# KiCad board kim-1.kicad_pcb (continued)
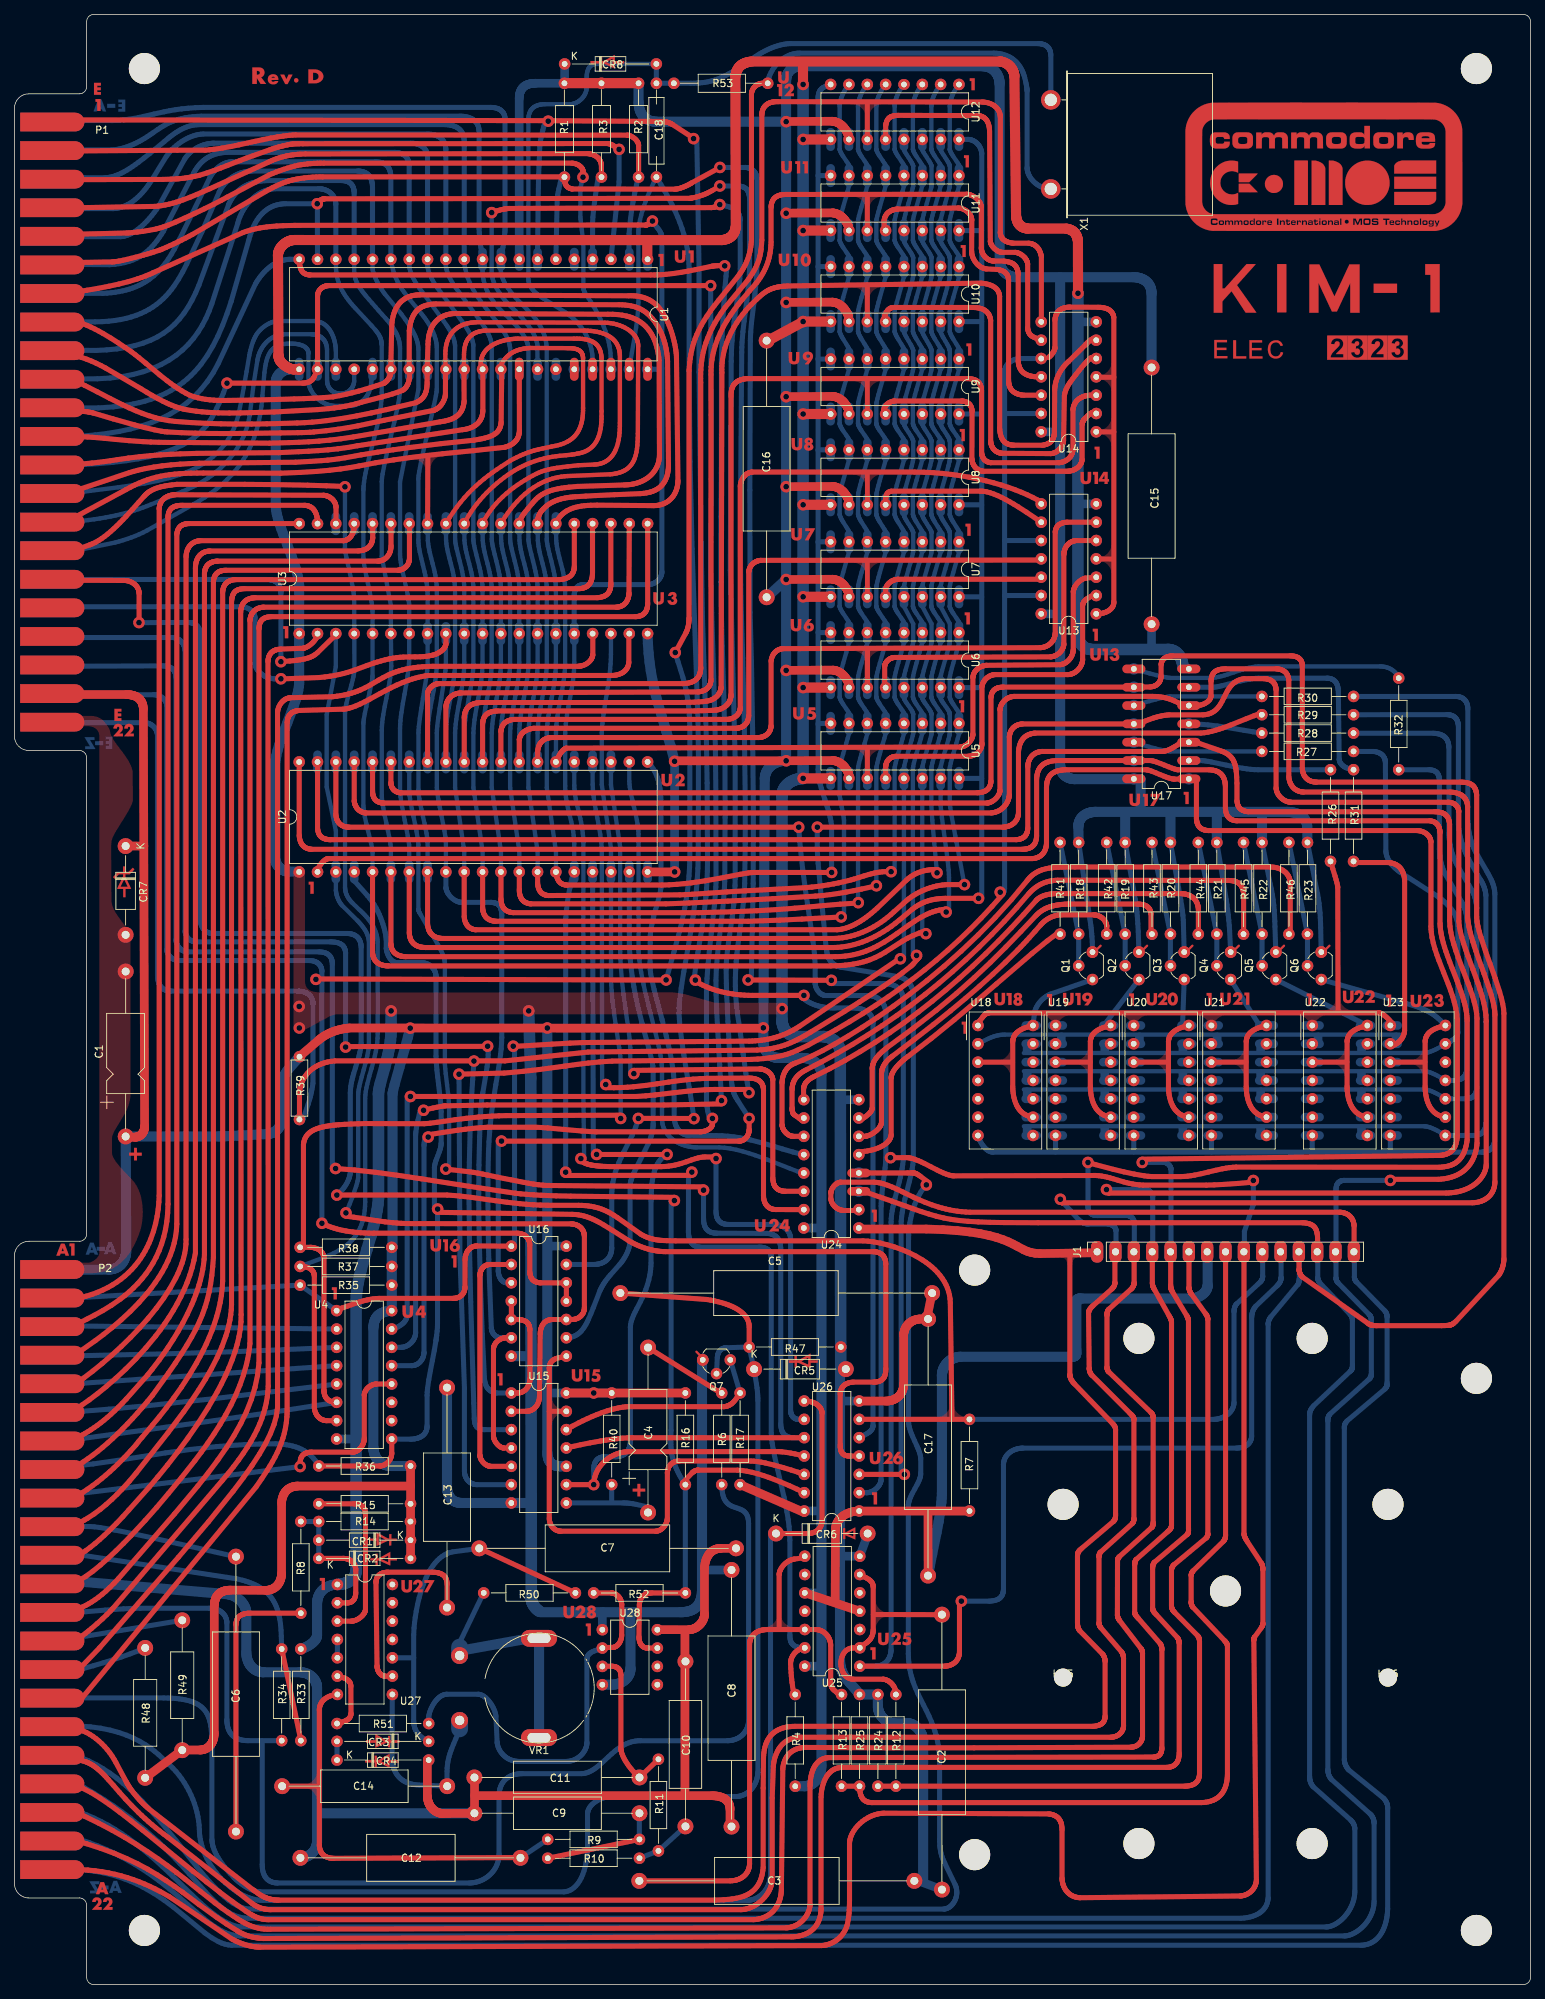
[diagram p0: board, top side]
## Footprints (pads in the part's own frame, mm; a bottom-side part is the same pattern mirrored in y, then rotated)
C_Axial_L12.0mm_D4.5mm_P22.86mm_Horizontal
  round 2.2 hole 1.1: 1(0,0) 2(22.86,0)
C_Axial_L12.0mm_D5.0mm_P30.48mm_Horizontal
  round 2.2 hole 1.1: 1(0,0) 2(30.48,0)
C_Axial_L17.0mm_D6.5mm_P35.56mm_Horizontal
  round 2.2 hole 1.1: 1(0,0) 2(35.56,0)
C_Axial_L17.0mm_D6.5mm_P38.10mm_Horizontal
  round 2.2 hole 1.1: 1(0,0) 2(38.1,0)
C_Axial_L17.0mm_D6.5mm_P43.18mm_Horizontal
  round 2.2 hole 1.1: 1(0,0) 2(43.18,0)
C_Disc_D9.0mm_W2.5mm_P13.00mm
  round 1.6 hole 0.8: 1(0,0) 2(13,0)
CP_Axial_L11.0mm_D5.0mm_P22.86mm_Horizontal
  round 2.2 hole 1.1: 1(0,0) 2(22.86,0)
Crystal_HC33-U_Horizontal
  round 2.7 hole 1.7: 1(0,0) 2(12.34,0)
D_DO-35_SOD27_P12.70mm_Horizontal
  oval 1.6x1.6 hole 0.8: 1(0,0) 2(12.7,0)
D_DO-41_SOD81_P12.30mm_Horizontal
  oval 2.2x2.2 hole 1.1: 1(0,0) 2(12.3,0)
D_DO-41_SOD81_P12.70mm_Horizontal
  oval 2.2x2.2 hole 1.1: 1(0,0) 2(12.7,0)
DIP-8_W7.62mm
  oval 1.6x1.6 hole 0.8: 1(0,0) 2(0,-2.54) 3(0,-5.08) 4(0,-7.62) 5(7.62,-7.62) 6(7.62,-5.08) 7(7.62,-2.54) 8(7.62,0)
DIP-14_W7.62mm
  oval 1.6x1.6 hole 0.8: 1(0,0) 2(0,-2.54) 3(0,-5.08) 4(0,-7.62) 5(0,-10.16) 6(0,-12.7) 7(0,-15.24) 8(7.62,-15.24) 9(7.62,-12.7) 10(7.62,-10.16) 11(7.62,-7.62) 12(7.62,-5.08) 13(7.62,-2.54) 14(7.62,0)
DIP-14_W7.62mm_U17
  oval 1.2x1.2 hole 0.8: 1(0,0) 2(0,-2.54) 3(0,-5.08) 4(0,-7.62) 5(0,-10.16) 6(0,-12.7) 7(0,-15.24) 8(7.62,-15.24) 9(7.62,-12.7) 10(7.62,-10.16) 11(7.62,-7.62) 12(7.62,-5.08) 13(7.62,-2.54) 14(7.62,0)
  round 1.6 smd far side: 1(0,0) 4(0,-7.62) 8(7.62,-15.24) 9(7.62,-12.7) 10(7.62,-10.16) 11(7.62,-7.62) 12(7.62,-5.08) 13(7.62,-2.54) 14(7.62,0)
  rrect 3.2x1.2 smd: 1(0,0) 2(0,-2.54) 3(0,-5.08) 4(0,-7.62) 5(0,-10.16) 6(0,-12.7) 7(0,-15.24) 8(7.62,-15.24) 9(7.62,-12.7) 10(7.62,-10.16) 11(7.62,-7.62) 12(7.62,-5.08) 13(7.62,-2.54) 14(7.62,0)
  rrect 3.2x1.2 smd far side: 2(0,-2.54) 3(0,-5.08) 5(0,-10.16) 6(0,-12.7) 7(0,-15.24)
DIP-16_W7.62mm
  oval 1.6x1.6 hole 0.8: 1(0,0) 2(0,-2.54) 3(0,-5.08) 4(0,-7.62) 5(0,-10.16) 6(0,-12.7) 7(0,-15.24) 8(0,-17.78) 9(7.62,-17.78) 10(7.62,-15.24) 11(7.62,-12.7) 12(7.62,-10.16) 13(7.62,-7.62) 14(7.62,-5.08) 15(7.62,-2.54) 16(7.62,0)
DIP-16_W7.62mm_U5-U11
  oval 1.2x1.2 hole 0.8: 1(0,0) 2(0,-2.54) 3(0,-5.08) 4(0,-7.62) 5(0,-10.16) 6(0,-12.7) 7(0,-15.24) 8(0,-17.78) 9(7.62,-17.78) 10(7.62,-15.24) 11(7.62,-12.7) 12(7.62,-10.16) 13(7.62,-7.62) 14(7.62,-5.08) 15(7.62,-2.54) 16(7.62,0)
  round 1.6 smd: 1(0,0) 2(0,-2.54) 3(0,-5.08) 4(0,-7.62) 5(0,-10.16) 6(0,-12.7) 7(0,-15.24) 8(0,-17.78) 9(7.62,-17.78) 10(7.62,-15.24) 11(7.62,-12.7) 12(7.62,-10.16) 13(7.62,-7.62) 14(7.62,-5.08) 15(7.62,-2.54) 16(7.62,0)
  rrect 3.2x1.2 smd far side: 1(0,0) 2(0,-2.54) 3(0,-5.08) 4(0,-7.62) 5(0,-10.16) 6(0,-12.7) 7(0,-15.24) 8(0,-17.78) 9(7.62,-17.78) 10(7.62,-15.24) 11(7.62,-12.7) 12(7.62,-10.16) 13(7.62,-7.62) 14(7.62,-5.08) 15(7.62,-2.54) 16(7.62,0)
DIP-16_W7.62mm_U12
  oval 1.6x1.6 hole 0.8: 1(0,0) 2(0,-2.54) 3(0,-5.08) 5(0,-10.16) 6(0,-12.7) 7(0,-15.24) 8(0,-17.78)
  oval 1.5x1.6 hole 0.8: 4(0,-7.62)
  oval 1.2x1.2 hole 0.8: 9(7.62,-17.78) 10(7.62,-15.24) 11(7.62,-12.7) 12(7.62,-10.16) 13(7.62,-7.62) 14(7.62,-5.08) 15(7.62,-2.54) 16(7.62,0)
  round 1.6 smd: 9(7.62,-17.78) 10(7.62,-15.24) 11(7.62,-12.7) 12(7.62,-10.16) 13(7.62,-7.62) 14(7.62,-5.08) 15(7.62,-2.54) 16(7.62,0)
  rrect 3.2x1.2 smd far side: 9(7.62,-17.78) 10(7.62,-15.24) 11(7.62,-12.7) 12(7.62,-10.16) 13(7.62,-7.62) 14(7.62,-5.08) 15(7.62,-2.54) 16(7.62,0)
DIP-16_W7.62mm_U24
  oval 1.6x1.6 hole 0.8: 1(0,0) 2(0,-2.54) 5(0,-10.16) 6(0,-12.7) 7(0,-15.24) 8(0,-17.78) 9(7.62,-17.78) 10(7.62,-15.24) 11(7.62,-12.7) 12(7.62,-10.16) 13(7.62,-7.62) 14(7.62,-5.08) 15(7.62,-2.54) 16(7.62,0)
  oval 1.2x1.2 hole 0.8: 3(0,-5.08) 4(0,-7.62)
  round 1.6 smd far side: 3(0,-5.08) 4(0,-7.62)
  rrect 3.2x1.2 smd: 3(0,-5.08) 4(0,-7.62)
DIP-40_W15.24mm_U1
  oval 1.2x1.2 hole 0.8: 1(0,0) 2(0,-2.54) 4(0,-7.62) 5(0,-10.16) 7(0,-15.24) 8(0,-17.78) 9(0,-20.32) 10(0,-22.86) 21(15.24,-48.26) 22(15.24,-45.72) 23(15.24,-43.18) 25(15.24,-38.1) 26(15.24,-35.56) 27(15.24,-33.02) 28(15.24,-30.48) 29(15.24,-27.94) 30(15.24,-25.4) 31(15.24,-22.86) 32(15.24,-20.32) 33(15.24,-17.78) 34(15.24,-15.24) 35(15.24,-12.7) 36(15.24,-10.16) 37(15.24,-7.62) 38(15.24,-5.08) 39(15.24,-2.54) 40(15.24,0)
  round 1.6 smd: 1(0,0) 2(0,-2.54) 4(0,-7.62) 5(0,-10.16) 7(0,-15.24) 8(0,-17.78) 9(0,-20.32) 10(0,-22.86) 21(15.24,-48.26) 22(15.24,-45.72) 23(15.24,-43.18) 25(15.24,-38.1) 26(15.24,-35.56) 27(15.24,-33.02) 28(15.24,-30.48) 29(15.24,-27.94) 30(15.24,-25.4) 31(15.24,-22.86) 32(15.24,-20.32) 34(15.24,-15.24) 35(15.24,-12.7)
  rrect 3.2x1.2 smd far side: 1(0,0) 2(0,-2.54) 4(0,-7.62) 5(0,-10.16) 7(0,-15.24) 8(0,-17.78) 9(0,-20.32) 10(0,-22.86) 21(15.24,-48.26) 22(15.24,-45.72) 23(15.24,-43.18) 25(15.24,-38.1) 26(15.24,-35.56) 27(15.24,-33.02) 28(15.24,-30.48) 29(15.24,-27.94) 30(15.24,-25.4) 31(15.24,-22.86) 32(15.24,-20.32) 33(15.24,-17.78) 34(15.24,-15.24) 35(15.24,-12.7)
  oval 1.6x1.6 hole 0.8: 3(0,-5.08) 6(0,-12.7) 11(0,-25.4) 12(0,-27.94) 13(0,-30.48) 14(0,-33.02) 15(0,-35.56) 16(0,-38.1) 17(0,-40.64) 18(0,-43.18) 19(0,-45.72) 20(0,-48.26) 24(15.24,-40.64)
  rrect 3.2x1.2 smd: 33(15.24,-17.78) 36(15.24,-10.16) 37(15.24,-7.62) 38(15.24,-5.08) 39(15.24,-2.54) 40(15.24,0)
  round 1.6 smd far side: 36(15.24,-10.16) 37(15.24,-7.62) 38(15.24,-5.08) 39(15.24,-2.54) 40(15.24,0)
DIP-40_W15.24mm_U2
  oval 1.6x1.6 hole 0.8: 1(0,0) 2(0,-2.54) 5(0,-10.16) 9(0,-20.32) 10(0,-22.86) 11(0,-25.4) 12(0,-27.94) 13(0,-30.48) 14(0,-33.02) 15(0,-35.56) 21(15.24,-48.26) 22(15.24,-45.72) 40(15.24,0)
  oval 1.2x1.2 hole 0.8: 3(0,-5.08) 4(0,-7.62) 6(0,-12.7) 7(0,-15.24) 8(0,-17.78) 16(0,-38.1) 17(0,-40.64) 18(0,-43.18) 19(0,-45.72) 20(0,-48.26) 23(15.24,-43.18) 24(15.24,-40.64) 25(15.24,-38.1) 26(15.24,-35.56) 27(15.24,-33.02) 28(15.24,-30.48) 29(15.24,-27.94) 30(15.24,-25.4) 31(15.24,-22.86) 32(15.24,-20.32) 33(15.24,-17.78) 34(15.24,-15.24) 35(15.24,-12.7) 36(15.24,-10.16) 37(15.24,-7.62) 38(15.24,-5.08) 39(15.24,-2.54)
  round 1.6 smd: 3(0,-5.08) 4(0,-7.62) 6(0,-12.7) 7(0,-15.24) 8(0,-17.78) 16(0,-38.1) 17(0,-40.64) 18(0,-43.18) 19(0,-45.72) 20(0,-48.26) 23(15.24,-43.18) 24(15.24,-40.64) 25(15.24,-38.1) 26(15.24,-35.56) 27(15.24,-33.02) 28(15.24,-30.48) 29(15.24,-27.94) 30(15.24,-25.4) 31(15.24,-22.86) 32(15.24,-20.32) 33(15.24,-17.78) 34(15.24,-15.24) 35(15.24,-12.7) 36(15.24,-10.16) 37(15.24,-7.62) 38(15.24,-5.08) 39(15.24,-2.54)
  rrect 3.2x1.2 smd far side: 3(0,-5.08) 4(0,-7.62) 6(0,-12.7) 7(0,-15.24) 8(0,-17.78) 16(0,-38.1) 17(0,-40.64) 18(0,-43.18) 19(0,-45.72) 20(0,-48.26) 23(15.24,-43.18) 24(15.24,-40.64) 25(15.24,-38.1) 26(15.24,-35.56) 27(15.24,-33.02) 28(15.24,-30.48) 29(15.24,-27.94) 30(15.24,-25.4) 31(15.24,-22.86) 32(15.24,-20.32) 33(15.24,-17.78) 34(15.24,-15.24) 35(15.24,-12.7) 36(15.24,-10.16) 37(15.24,-7.62) 38(15.24,-5.08) 39(15.24,-2.54)
DIP-40_W15.24mm_U3
  oval 1.6x1.6 hole 0.8: 1(0,0) 2(0,-2.54) 3(0,-5.08) 4(0,-7.62) 5(0,-10.16) 6(0,-12.7) 7(0,-15.24) 17(0,-40.64) 18(0,-43.18) 19(0,-45.72) 20(0,-48.26) 21(15.24,-48.26) 22(15.24,-45.72) 23(15.24,-43.18) 24(15.24,-40.64) 25(15.24,-38.1) 39(15.24,-2.54) 40(15.24,0)
  oval 1.2x1.2 hole 0.8: 8(0,-17.78) 9(0,-20.32) 10(0,-22.86) 11(0,-25.4) 12(0,-27.94) 13(0,-30.48) 14(0,-33.02) 15(0,-35.56) 16(0,-38.1) 26(15.24,-35.56) 27(15.24,-33.02) 28(15.24,-30.48) 29(15.24,-27.94) 30(15.24,-25.4) 31(15.24,-22.86) 32(15.24,-20.32) 33(15.24,-17.78) 34(15.24,-15.24) 35(15.24,-12.7) 36(15.24,-10.16) 37(15.24,-7.62) 38(15.24,-5.08)
  round 1.6 smd: 8(0,-17.78) 9(0,-20.32) 10(0,-22.86) 11(0,-25.4) 12(0,-27.94) 13(0,-30.48) 14(0,-33.02) 15(0,-35.56) 16(0,-38.1) 26(15.24,-35.56) 27(15.24,-33.02) 28(15.24,-30.48) 29(15.24,-27.94) 30(15.24,-25.4) 31(15.24,-22.86) 32(15.24,-20.32) 33(15.24,-17.78) 34(15.24,-15.24) 35(15.24,-12.7) 36(15.24,-10.16) 37(15.24,-7.62) 38(15.24,-5.08)
  rrect 3.2x1.2 smd far side: 8(0,-17.78) 9(0,-20.32) 10(0,-22.86) 11(0,-25.4) 12(0,-27.94) 13(0,-30.48) 14(0,-33.02) 15(0,-35.56) 16(0,-38.1) 26(15.24,-35.56) 27(15.24,-33.02) 28(15.24,-30.48) 29(15.24,-27.94) 30(15.24,-25.4) 31(15.24,-22.86) 32(15.24,-20.32) 33(15.24,-17.78) 34(15.24,-15.24) 35(15.24,-12.7) 36(15.24,-10.16) 37(15.24,-7.62) 38(15.24,-5.08)
KIM_CONN
  rrect 8.89x2.6 smd: 1(0,41.58) 2(0,37.62) 3(0,33.66) 4(0,29.7) 5(0,25.74) 6(0,21.78) 7(0,17.82) 8(0,13.86) 9(0,9.9) 10(0,5.94) 11(0,1.98) 12(0,-1.98) 13(0,-5.94) 14(0,-9.9) 15(0,-13.86) 16(0,-17.82) 17(0,-21.78) 18(0,-25.74) 19(0,-29.7) 20(0,-33.66) 21(0,-37.62) 22(0,-41.58)
  rrect 8.89x2.6 smd far side: A(0,41.58) B(0,37.62) C(0,33.66) D(0,29.7) E(0,25.74) F(0,21.78) H(0,17.82) J(0,13.86) K(0,9.9) L(0,5.94) M(0,1.98) N(0,-1.98) P(0,-5.94) R(0,-9.9) S(0,-13.86) T(0,-17.82) U(0,-21.78) V(0,-25.74) W(0,-29.7) X(0,-33.66) Y(0,-37.62) Z(0,-41.58)
MAN72A_U18
  oval 1.6x1.6 hole 0.8: 1(0,0) 2(0,-2.54) 3(0,-5.08) 4(0,-7.62) 5(0,-10.16) 6(0,-12.7) 7(0,-15.24)
  rrect 2.7x1.2 smd far side: 8(7.37,-15.24) 9(7.37,-12.7) 10(7.37,-10.16) 11(7.37,-7.62) 12(7.37,-5.08) 13(7.37,-2.54) 14(7.37,0)
  oval 1.2x1.2 hole 0.8: 8(7.62,-15.24) 9(7.62,-12.7) 10(7.62,-10.16) 11(7.62,-7.62) 12(7.62,-5.08) 13(7.62,-2.54) 14(7.62,0)
  round 1.6 smd: 8(7.62,-15.24) 9(7.62,-12.7) 10(7.62,-10.16) 11(7.62,-7.62) 12(7.62,-5.08) 13(7.62,-2.54) 14(7.62,0)
MAN72A_U19-U20
  oval 1.2x1.2 hole 0.8: 1(0,0) 2(0,-2.54) 3(0,-5.08) 4(0,-7.62) 5(0,-10.16) 6(0,-12.7) 7(0,-15.24) 8(7.62,-15.24) 9(7.62,-12.7) 10(7.62,-10.16) 11(7.62,-7.62) 12(7.62,-5.08) 13(7.62,-2.54) 14(7.62,0)
  round 1.6 smd: 1(0,0) 2(0,-2.54) 3(0,-5.08) 4(0,-7.62) 5(0,-10.16) 6(0,-12.7) 7(0,-15.24) 8(7.62,-15.24) 9(7.62,-12.7) 10(7.62,-10.16) 11(7.62,-7.62) 12(7.62,-5.08) 13(7.62,-2.54) 14(7.62,0)
  rrect 2.7x1.2 smd far side: 1(0.25,0) 2(0.25,-2.54) 3(0.25,-5.08) 4(0.25,-7.62) 5(0.25,-10.16) 6(0.25,-12.7) 7(0.25,-15.24) 8(7.37,-15.24) 9(7.37,-12.7) 10(7.37,-10.16) 11(7.37,-7.62) 12(7.37,-5.08) 13(7.37,-2.54) 14(7.37,0)
MAN72A_U21
  oval 1.2x1.2 hole 0.8: 1(0,0) 2(0,-2.54) 3(0,-5.08) 4(0,-7.62) 5(0,-10.16) 6(0,-12.7) 7(0,-15.24) 8(7.62,-15.24) 9(7.62,-12.7) 10(7.62,-10.16) 11(7.62,-7.62) 12(7.62,-5.08) 13(7.62,-2.54) 14(7.62,0)
  round 1.6 smd: 1(0,0) 2(0,-2.54) 3(0,-5.08) 4(0,-7.62) 5(0,-10.16) 6(0,-12.7) 7(0,-15.24) 8(7.62,-15.24) 9(7.62,-12.7) 10(7.62,-10.16) 11(7.62,-7.62) 12(7.62,-5.08) 13(7.62,-2.54) 14(7.62,0)
  rrect 2.7x1.2 smd far side: 1(0.25,0) 2(0.25,-2.54) 3(0.25,-5.08) 4(0.25,-7.62) 5(0.25,-10.16) 6(0.25,-12.7) 7(0.25,-15.24)
  rrect 3.2x1.2 smd far side: 8(7.62,-15.24) 9(7.62,-12.7) 10(7.62,-10.16) 11(7.62,-7.62) 12(7.62,-5.08) 13(7.62,-2.54) 14(7.62,0)
MAN72A_U22
  oval 1.2x1.2 hole 0.8: 1(0,0) 2(0,-2.54) 3(0,-5.08) 4(0,-7.62) 5(0,-10.16) 6(0,-12.7) 7(0,-15.24) 8(7.62,-15.24) 9(7.62,-12.7) 10(7.62,-10.16) 11(7.62,-7.62) 12(7.62,-5.08) 13(7.62,-2.54) 14(7.62,0)
  round 1.6 smd: 1(0,0) 2(0,-2.54) 3(0,-5.08) 4(0,-7.62) 5(0,-10.16) 6(0,-12.7) 7(0,-15.24) 8(7.62,-15.24) 9(7.62,-12.7) 10(7.62,-10.16) 11(7.62,-7.62) 12(7.62,-5.08) 13(7.62,-2.54) 14(7.62,0)
  rrect 3.2x1.2 smd far side: 1(0,0) 2(0,-2.54) 3(0,-5.08) 4(0,-7.62) 5(0,-10.16) 6(0,-12.7) 7(0,-15.24)
  rrect 2.7x1.2 smd far side: 8(7.37,-15.24) 9(7.37,-12.7) 10(7.37,-10.16) 11(7.37,-7.62) 12(7.37,-5.08) 13(7.37,-2.54) 14(7.37,0)
MAN72A_U23
  oval 1.2x1.2 hole 0.8: 1(0,0) 2(0,-2.54) 3(0,-5.08) 4(0,-7.62) 5(0,-10.16) 6(0,-12.7) 7(0,-15.24)
  round 1.6 smd: 1(0,0) 2(0,-2.54) 3(0,-5.08) 4(0,-7.62) 5(0,-10.16) 6(0,-12.7) 7(0,-15.24)
  rrect 2.7x1.2 smd far side: 1(0.25,0) 2(0.25,-2.54) 3(0.25,-5.08) 4(0.25,-7.62) 5(0.25,-10.16) 6(0.25,-12.7) 7(0.25,-15.24)
  round 1.6 hole 0.8: 8(7.62,-15.24) 9(7.62,-12.7) 10(7.62,-10.16) 11(7.62,-7.62) 12(7.62,-5.08) 13(7.62,-2.54) 14(7.62,0)
Mounting_Hole_2.5mm
  round 2.5 hole 2.5 unplated: (0,0)
Mounting_Hole_4.3mm_M4
  round 4.3 hole 4.3 unplated: (0,0)
Piher-PT-15-LV18
  round 2.34 hole 1.3: 1(11,2.375) 3(11,11.375)
  rrect 2.34x3.5 smd far side: 1(11,1.8) 3(11,11.95)
  rrect 5x2.34 hole 3.2x1.3: 2(0,13.75) 2(0,0)
PinSocket_1x15_P2.54mm_Vertical
  rrect 3x1.7 hole 1: 1(0,0) 2(0,-2.54) 3(0,-5.08) 4(0,-7.62) 5(0,-10.16) 6(0,-12.7) 7(0,-15.24) 8(0,-17.78) 9(0,-20.32) 10(0,-22.86) 11(0,-25.4) 12(0,-27.94) 13(0,-30.48) 14(0,-33.02) 15(0,-35.56)
R_Axial_DIN0207_3K3_L6.3mm_D2.3mm_P13mm_Horizontal
  round 1.6 hole 0.8: 1(0,0)
  oval 1.6x1.6 hole 0.8: 2(13,0)
R_Axial_DIN0207_330K_L6.3mm_D2.3mm_P13mm_Horizontal
  round 1.6 hole 0.8: 1(0,0)
  oval 1.6x1.6 hole 0.8: 2(13,0)
R_Axial_DIN0309_1K_L6.3mm_D2.3mm_P12.70mm_Horizontal
  round 1.6 hole 0.8: 1(0,0)
  oval 1.6x1.6 hole 0.8: 2(12.7,0)
R_Axial_DIN0309_2K2_L6.3mm_D2.3mm_P12.70mm_Horizontal
  round 1.6 hole 0.8: 1(0,0)
  oval 1.6x1.6 hole 0.8: 2(12.7,0)
R_Axial_DIN0309_3K3_L6.3mm_D2.3mm_P12.70mm_Horizontal
  round 1.6 hole 0.8: 1(0,0)
  oval 1.6x1.6 hole 0.8: 2(12.7,0)
R_Axial_DIN0309_5M_L6.3mm_D2.3mm_P12.70mm_Horizontal
  round 1.6 hole 0.8: 1(0,0)
  oval 1.6x1.6 hole 0.8: 2(12.7,0)
R_Axial_DIN0309_10K_L6.3mm_D2.3mm_P12.70mm_Horizontal
  round 1.6 hole 0.8: 1(0,0)
  oval 1.6x1.6 hole 0.8: 2(12.7,0)
R_Axial_DIN0309_30K_L6.3mm_D2.3mm_P12.70mm_Horizontal
  round 1.6 hole 0.8: 1(0,0)
  oval 1.6x1.6 hole 0.8: 2(12.7,0)
R_Axial_DIN0309_47K_L6.3mm_D2.3mm_P12.70mm_Horizontal
  round 1.6 hole 0.8: 1(0,0)
  oval 1.6x1.6 hole 0.8: 2(12.7,0)
R_Axial_DIN0309_47R_L6.3mm_D2.3mm_P12.70mm_Horizontal
  round 1.6 hole 0.8: 1(0,0)
  oval 1.6x1.6 hole 0.8: 2(12.7,0)
R_Axial_DIN0309_82R_L6.3mm_D2.3mm_P12.70mm_Horizontal
  round 1.6 hole 0.8: 1(0,0)
  oval 1.6x1.6 hole 0.8: 2(12.7,0)
R_Axial_DIN0309_100R_L6.3mm_D2.5mm_P12.70mm_Horizontal
  round 1.6 hole 0.8: 1(0,0)
  oval 1.6x1.6 hole 0.8: 2(12.7,0)
R_Axial_DIN0309_150R_L9.0mm_D3.2mm_P18.00mm_Horizontal
  round 2.2 hole 1.1: 1(0,0) 2(18,0)
R_Axial_DIN0309_220R_L6.3mm_D2.3mm_P12.70mm_Horizontal
  round 1.6 hole 0.8: 1(0,0)
  oval 1.6x1.6 hole 0.8: 2(12.7,0)
R_Axial_DIN0309_560R_L6.3mm_D2.3mm_P8.70mm_Horizontal
  round 1.6 hole 0.8: 1(0,0)
  oval 1.6x1.6 hole 0.8: 2(8.7,0)
R_Axial_DIN0309_560R_L6.3mm_D2.3mm_P12.70mm_Horizontal
  round 1.6 hole 0.8: 1(0,0)
  oval 1.6x1.6 hole 0.8: 2(12.7,0)
TO-92
  round 1.6 hole 0.8: 1(0,0) 2(1.905,1.905) 3(3.81,0)
  custom 1.825x2.08 smd: 3(3.81,0)

## Nets
+12V: C7.1 C8.1 C9.1 C10.1 C11.1 C12.1 CR4.2 P2.N U28.8
GND: C1.2 C2.1 C3.2 C5.2 C8.2 C13.2 C15.2 C16.2 C17.2 CR5.2 CR6.2 CR7.2 P1.22 P2.1 Q7.3 R24.1 R25.2 R33.1 R47.1 U1.1 U1.21 U2.1 U3.1 U4.8 U5.9 U6.9 U7.9 U8.9 U9.9 U10.9 U11.9 U12.9 U13.7 U14.7 U15.7 U16.7 U17.7 U24.8 U25.7 U26.7 U27.1 U28.1 U28.4
VCC: C1.1 C15.1 C16.1 C17.1 CR1.1 CR2.2 CR7.1 CR8.1 J1.7 P1.21 P2.A Q1.3 Q2.3 Q3.3 Q4.3 Q5.3 Q6.3 R1.2 R2.2 R3.2 R4.2 R7.1 R14.1 R15.2 R16.2 R17.1 R18.2 R19.2 R20.2 R21.2 R22.2 R23.2 R35.2 R36.2 R37.2 R38.2 R39.2 R40.1 R48.1 R49.1 U1.8 U2.20 U3.20 U4.16 U5.10 U6.10 U7.10 U8.10 U9.10 U10.10 U11.10 U12.10 U13.14 U14.14 U15.10 U15.14 U16.14 U17.14 U24.16 U25.4 U25.10 U25.14 U26.1 U26.14
/A: R26.2 U18.1 U19.1 U20.1 U21.1 U22.1 U23.1
/A0: P1.A U1.9 U2.15 U3.15 U5.8 U6.8 U7.8 U8.8 U9.8 U10.8 U11.8 U12.8
/A1: P1.B U1.10 U2.14 U3.14 U5.4 U6.4 U7.4 U8.4 U9.4 U10.4 U11.4 U12.4
/A2: P1.C U1.11 U2.13 U3.13 U5.5 U6.5 U7.5 U8.5 U9.5 U10.5 U11.5 U12.5
/A3: P1.D U1.12 U2.12 U3.12 U5.6 U6.6 U7.6 U8.6 U9.6 U10.6 U11.6 U12.6
/A4: P1.E U1.13 U2.11 U3.11 U5.7 U6.7 U7.7 U8.7 U9.7 U10.7 U11.7 U12.7
/A5: P1.F U1.14 U2.10 U3.10 U5.2 U6.2 U7.2 U8.2 U9.2 U10.2 U11.2 U12.2
/A6: P1.H U1.15 U2.8 U3.8 U5.1 U6.1 U7.1 U8.1 U9.1 U10.1 U11.1 U12.1
/A7: P1.J U1.16 U2.7 U3.7 U5.16 U6.16 U7.16 U8.16 U9.16 U10.16 U11.16 U12.16
/A8: P1.K U1.17 U2.6 U3.6 U5.15 U6.15 U7.15 U8.15 U9.15 U10.15 U11.15 U12.15
/A9: P1.L U1.18 U2.5 U3.5 U5.14 U6.14 U7.14 U8.14 U9.14 U10.14 U11.14 U12.14
/A10: P1.M U1.19 U4.15
/A11: P1.N U1.20 U4.14
/A12: P1.P U1.22 U4.13
/A13: P1.R U1.23
/A14: P1.S U1.24
/A15: P1.T U1.25
/AUD_H: P2.P R6.2 R34.1
/AUD_L: P2.M R33.2 R34.2
/AUDIN: C6.2 P2.L
/B: R27.2 U18.13 U19.13 U20.13 U21.13 U22.13 U23.13
/C: R28.2 U18.10 U19.10 U20.10 U21.10 U22.10 U23.10
/COLA: J1.5 P2.21 U2.2 U17.1
/COLB: J1.3 P2.19 U2.40 U17.13
/COLC: J1.14 P2.Y U2.39 U17.3
/COLD: J1.9 P2.22 U2.38 U26.2
/COLE: J1.4 P2.20 U2.37 U17.11
/COLF: J1.2 P2.18 U2.36 U17.5
/COLG: J1.12 P2.W U2.35 U17.9
/D: R29.2 U18.8 U19.8 U20.8 U21.8 U22.8 U23.8
/D0: P1.15 U1.33 U2.33 U3.33 U12.11 U14.8
/D1: P1.14 U1.32 U2.32 U3.32 U11.11 U14.11
/D2: P1.13 U1.31 U2.31 U3.31 U10.11 U14.6
/D3: P1.12 U1.30 U2.30 U3.30 U9.11 U14.3
/D4: P1.11 U1.29 U2.29 U3.29 U8.11 U13.8
/D5: P1.10 U1.28 U2.28 U3.28 U7.11 U13.11
/D6: P1.9 U1.27 U2.27 U3.27 U6.11 U13.6
/D7: P1.8 U1.26 U2.26 U3.26 U5.11 U13.3
/DECEN: P2.K U4.12
/E: R30.2 U18.7 U19.7 U20.7 U21.7 U22.7 U23.7
/F: R31.2 U18.2 U19.2 U20.2 U21.2 U22.2 U23.2
/G: R32.2 U18.11 U19.11 U20.11 U21.11 U22.11 U23.11
/K0: P2.B R35.1 U4.1 U5.13 U6.13 U7.13 U8.13 U9.13 U10.13 U11.13 U12.13 U16.1
/K1: P2.C U4.2
/K2: P2.D U4.3
/K3: P2.E U4.4
/K4: P2.F U4.5
/K5: P2.H R38.1 U2.18 U3.18 U4.6
/K6: P1.16 R37.1 U3.4 U4.7
/K7: P2.J R36.1 U2.4 U4.9 U26.4
/KBD: C5.1 CR5.1 P2.T Q7.2 R47.2
/KBD_R: P2.R R49.2
/KD1: U2.24 U24.15
/KD2: U2.23 U24.14
/KD3: U2.22 U24.13
/KD4: U2.21 U24.12
/PA0: P2.14 U3.2
/PA1: P2.4 U3.40
/PA2: P2.3 U3.39
/PA3: P2.2 U3.38
/PA4: P2.5 U3.37
/PA5: P2.6 U3.36
/PA6: P2.7 U3.35
/PA7: P2.8 U3.34
/PB0: P2.9 U3.25
/PB1: P2.10 U3.24
/PB2: P2.11 U3.23
/PB3: P2.12 U3.22
/PB4: P2.13 U3.21
/PB5: P2.16 U3.19
/PB7: P2.15 U3.17
/PTR: CR6.1 P2.U U26.8
/PTR_R: P2.S R48.2
/R0: P1.5 U1.38
/R/~{W}: P1.V U2.9 U3.9 U15.4 U16.6
/RAMRW: P1.Z R39.1 U5.3 U6.3 U7.3 U8.3 U9.3 U10.3 U11.3 U12.3 U15.3
/ROW0: J1.1 P2.17 U24.1
/ROW1: J1.15 P2.Z U24.2
/ROW2: J1.13 P2.X U24.3
/ROW3: P2.V U24.4
/SYNC: P1.1 U1.7 U26.5
/~{IRQ}: P1.4 R3.1 U1.4
/~{RDY}: P1.2 R2.1 U1.2
/~{RES}: P1.7 R4.1 U1.40 U2.16 U3.16 U25.13
/~{R}/W: P1.W U15.1 U16.4 U16.5
/~{Ø2}: P1.Y R53.2 U16.11 U16.12 X1.1
/Ø1: P1.3 U1.3
/Ø2: P1.U U2.3 U3.3 U15.2 U16.10
RS: J1.8 R13.2 R25.1
SST: J1.10 P1.17 R7.2 U26.6
ST: J1.6 R12.2 R24.2
~{NMI}: J1.11 P1.6 R1.1 U1.6 U25.1
Net-(#FLG0101-pwr): C7.2 CR3.1 R50.1 U27.10
Net-(C4-Pad1): C4.1 R40.2 U15.8
Net-(C4-Pad2): C4.2 R6.1
Net-(C6-Pad1): C6.1 R8.2
Net-(C9-Pad2): C9.2 R9.1 R10.2
Net-(C10-Pad2): C10.2 R10.1 R11.2
Net-(CR1-A): CR1.2 CR2.1 R8.1 R14.2 U27.2
Net-(CR3-A): CR3.2 CR4.1
Net-(CR8-A): C18.2 CR8.2 R53.1 U1.37 X1.2
Net-(P1-PLL): P1.X R16.1 R52.1 U26.13 U28.7
Net-(Q1-B): Q1.2 R18.1 R41.1
Net-(Q1-C): Q1.1 U18.3 U18.9 U18.14
Net-(Q2-B): Q2.2 R19.1 R42.1
Net-(Q2-C): Q2.1 U19.3 U19.9 U19.14
Net-(Q3-B): Q3.2 R20.1 R43.1
Net-(Q3-C): Q3.1 U20.3 U20.9 U20.14
Net-(Q4-B): Q4.2 R21.1 R44.1
Net-(Q4-C): Q4.1 U21.3 U21.9 U21.14
Net-(Q5-B): Q5.2 R22.1 R45.1
Net-(Q5-C): Q5.1 U22.3 U22.9 U22.14
Net-(Q6-B): Q6.2 R23.1 R46.1
Net-(Q6-C): Q6.1 U23.3 U23.9 U23.14
Net-(Q7-C): Q7.1 R17.2 U15.12
Net-(R15-Pad1): R15.1 U27.3
Net-(R26-Pad1): R26.1 U17.2
Net-(R27-Pad1): R27.1 U17.12
Net-(R28-Pad1): R28.1 U17.4
Net-(R29-Pad1): R29.1 U26.3
Net-(R30-Pad1): R30.1 U17.10
Net-(R31-Pad1): R31.1 U17.6
Net-(R32-Pad1): R32.1 U17.8
Net-(R50-Pad2): R50.2 VR1.1 VR1.2
Net-(U1-R/~{W}): U1.34 U16.3
Net-(U1-Ø2): C18.1 U1.39 U16.13
Net-(U2-PA7): U2.34 U15.11 U26.10
Net-(U2-PB0): U2.25 U26.9
Net-(U2-PB5): U2.19 U16.9
Net-(U2-PB7): U2.17 U15.9 U26.11
Net-(U5-DO): U5.12 U13.2
Net-(U6-DO): U6.12 U13.5
Net-(U7-DO): U7.12 U13.12
Net-(U8-DO): U8.12 U13.9
Net-(U9-DO): U9.12 U14.2
Net-(U10-DO): U10.12 U14.5
Net-(U11-DO): U11.12 U14.12
Net-(U12-DO): U12.12 U14.9
Net-(U13-Pad1): U13.1 U13.4 U13.10 U13.13 U14.1 U14.4 U14.10 U14.13 U15.6
Net-(U15-Pad5): U15.5 U16.2
Net-(U15-Pad13): U15.13 U16.8 U26.12
Net-(U24-~{Q4}): R41.2 U24.5
Net-(U24-~{Q5}): R42.2 U24.6
Net-(U24-~{Q6}): R43.2 U24.7
Net-(U24-~{Q7}): R44.2 U24.9
Net-(U24-~{Q8}): R45.2 U24.10
Net-(U24-~{Q9}): R46.2 U24.11
Net-(U25A-THR): C2.2 R12.1 U25.2 U25.6
Net-(U25B-THR): C3.1 R13.1 U25.8 U25.12
Net-(U27-C): C13.1 U27.9
Net-(U27-DEM_OUT): C12.2 C14.2 R9.2 U27.7
Net-(U27-R): C14.1 U27.8 VR1.3
Net-(U27-REF_OUT): R51.2 U27.6
Net-(U27-VCO_IN): U27.4 U27.5
Net-(U28-+): R51.1 R52.2 U28.2
Net-(U28--): C11.2 R11.1 U28.3

Pads without a net: P1 18 19 20; U1 5 35 36; U4 10 11; U18 4 5 6 12; U19 4 5 6 12; U20 4 5 6 12; U21 4 5 6 12; U22 4 5 6 12; U23 4 5 6 12; U25 3 5 9 11; U27 11 12 13 14; U28 5 6

## Via types
v1: diameter 1.6, hole 0.8, Top to Bottom, 112 vias

## Routing (per net, layer and track width the routed paths; a pad name or vN(x,y) marks a point on that pad's centre or on a via; arc(x,y) is an arc through that point)
+12V: length 190.6
  Top w1.2: 99.95,60.44 97.87,60.44 97.73,60.44 97.59,60.43 97.46,60.41 97.33,60.38 97.21,60.35 97.09,60.31 96.98,60.26 96.87,60.21 96.77,60.15 96.67,60.08 96.57,60.01 96.48,59.94 96.4,59.85 96.31,59.77 96.24,59.68 96.16,59.58 96.1,59.48 96.03,59.38 95.92,59.16 95.82,58.92 95.74,58.68 95.67,58.42 95.62,58.16 95.59,57.89 95.58,57.62 95.58,51.38 95.58,51.27 95.57,51.17 95.55,51.06 95.53,50.96 95.51,50.86 95.48,50.76 95.44,50.66 95.4,50.56 95.36,50.46 95.31,50.37 95.25,50.28 95.19,50.19 95.13,50.1 95.06,50.02 94.99,49.94 94.92,49.86 94.84,49.78 94.76,49.71 94.68,49.65 94.59,49.58 94.5,49.52 94.41,49.47 94.32,49.41 94.23,49.37 94.13,49.32 94.03,49.29 93.93,49.25 93.83,49.23 93.73,49.2 93.63,49.19 93.52,49.18 93.42,49.17 88.92,49.18 ; 63.74,26.17 96.6,26.17 96.84,26.17 97.08,26.15 97.31,26.12 97.53,26.08 97.75,26.02 97.96,25.95 98.15,25.87 98.25,25.82 98.34,25.77 98.42,25.71 98.51,25.65 98.58,25.59 98.66,25.52 98.73,25.44 98.79,25.36 98.85,25.28 98.9,25.19 98.95,25.1 99,25 99.03,24.89 99.06,24.78 99.09,24.66 99.1,24.54 99.11,24.41 99.12,24.28 99.12,21.87 ; 63.73,28.71 63.73,23.73 59.41,23.71 59.29,23.71 59.17,23.72 59.06,23.74 58.94,23.76 58.83,23.79 58.72,23.82 58.62,23.86 58.52,23.91 58.42,23.96 58.32,24.01 58.23,24.07 58.14,24.14 58.05,24.21 57.97,24.28 57.89,24.36 57.82,24.44 57.75,24.53 57.68,24.62 57.62,24.71 57.56,24.8 57.5,24.9 57.45,25 57.41,25.1 57.37,25.21 57.33,25.32 57.29,25.43 57.27,25.54 57.24,25.65 57.22,25.77 57.21,25.88 57.2,26 57.19,26.11 57.19,31.11 ; 92.87,26.29 92.87,49.08
  Bottom w1.4: 7.54,55.97 29.57,54.09 29.69,54.06 29.81,54.04 29.93,54.01 30.05,53.97 30.28,53.88 30.51,53.77 30.73,53.65 30.94,53.51 31.14,53.35 31.33,53.18 31.41,53.09 31.5,53 31.58,52.9 31.65,52.8 31.72,52.7 31.78,52.59 31.84,52.48 31.9,52.37 31.95,52.26 31.99,52.15 32.03,52.03 32.06,51.91 32.08,51.79 32.1,51.67 32.11,51.54 32.11,51.42 32.11,46.03 32.12,45.77 32.15,45.51 32.2,45.26 32.27,45.02 32.36,44.78 32.41,44.67 32.47,44.55 32.53,44.45 32.6,44.34 32.67,44.24 32.74,44.14 32.82,44.05 32.91,43.96 32.99,43.87 33.09,43.79 33.18,43.71 33.29,43.64 33.39,43.58 33.5,43.52 33.62,43.47 33.73,43.42 33.86,43.38 33.98,43.35 34.11,43.32 34.24,43.3 34.38,43.29 34.52,43.28 39.58,43.28 39.69,43.28 39.8,43.27 39.91,43.25 40.02,43.23 40.13,43.21 40.23,43.18 40.44,43.11 40.54,43.07 40.64,43.03 40.74,42.98 40.84,42.92 40.93,42.86 41.02,42.8 41.11,42.74 41.19,42.67 41.27,42.6 41.35,42.52 41.42,42.44 41.49,42.36 41.55,42.27 41.61,42.18 41.66,42.08 41.71,41.99 41.76,41.89 41.8,41.78 41.83,41.68 41.86,41.57 41.88,41.46 41.9,41.34 41.91,41.23 41.91,41.11 41.91,19.8 41.91,19.68 41.9,19.56 41.88,19.44 41.86,19.32 41.83,19.21 41.79,19.1 41.75,18.99 41.71,18.88 41.65,18.78 41.6,18.69 41.54,18.59 41.47,18.5 41.4,18.41 41.33,18.33 41.25,18.25 41.17,18.18 41.09,18.1 41,18.04 40.91,17.97 40.82,17.91 40.73,17.86 40.63,17.81 40.53,17.76 40.43,17.72 40.33,17.68 40.23,17.65 40.13,17.62 40.02,17.6 39.92,17.58 39.82,17.57 39.71,17.56 39.61,17.56 ; 63.71,23.74 41.93,23.74
GND: length 959
  Top w1.2: 127.09,95.82 126.37,92.23 125.46,92.23 125.34,92.22 125.23,92.21 125.11,92.19 125,92.17 124.89,92.14 124.78,92.11 124.67,92.08 124.57,92.04 124.47,91.99 124.37,91.94 124.28,91.89 124.18,91.83 124.09,91.77 124.01,91.7 123.93,91.63 123.85,91.56 123.77,91.48 123.7,91.4 123.63,91.32 123.57,91.23 123.51,91.14 123.46,91.05 123.41,90.95 123.36,90.86 123.32,90.76 123.28,90.65 123.25,90.54 123.22,90.44 123.2,90.33 123.19,90.21 123.17,90.1 123.17,89.98 123.17,83.28 123.17,83.13 123.16,82.99 123.14,82.85 123.12,82.72 123.09,82.59 123.06,82.47 123.02,82.35 122.97,82.23 122.92,82.12 122.86,82.01 122.8,81.91 122.74,81.82 122.67,81.72 122.6,81.64 122.52,81.55 122.44,81.47 122.35,81.4 122.26,81.33 122.17,81.27 122.07,81.21 121.97,81.15 121.87,81.1 121.77,81.05 121.66,81.01 121.55,80.98 121.44,80.94 121.32,80.92 121.21,80.9 121.09,80.88 120.97,80.86 120.73,80.85 117.01,80.85
  Top w1.4: 113.07,192.3 v1(109.24,192.3) ; v1(109.24,217.63) 113.17,217.63 ; 87.66,239.08 87.66,241.7 ; v1(109.24,167.14) 113.06,167.14 ; v1(109.24,205.05) 113.17,205.05 ; v1(109.24,243.05) 113.06,243.05 ; 109.22,263.32 109.22,266.38 ; 147.32,234.34 147.31,241.6 147.29,241.71 147.27,241.81 147.25,241.91 147.23,242.01 147.2,242.1 147.17,242.19 147.14,242.27 147.11,242.35 147.07,242.43 147.03,242.5 146.99,242.57 146.94,242.63 146.9,242.69 146.85,242.75 146.8,242.81 146.75,242.86 146.69,242.91 146.63,242.95 146.57,242.99 146.51,243.03 146.45,243.07 146.39,243.11 146.25,243.17 146.11,243.22 145.96,243.26 145.81,243.3 145.65,243.32 140.46,243.32 140.34,243.33 140.23,243.35 140.12,243.36 140.01,243.39 139.91,243.41 139.82,243.44 139.73,243.48 139.65,243.52 139.57,243.56 139.49,243.6 139.42,243.65 139.36,243.7 139.3,243.76 139.24,243.81 139.19,243.87 139.14,243.93 139.09,243.99 139.05,244.06 139.01,244.12 138.97,244.19 138.91,244.33 138.86,244.47 138.81,244.62 138.78,244.76 138.76,244.91 138.74,245.05 138.5,264.4 138.5,264.52 138.48,264.64 138.46,264.75 138.44,264.86 138.4,264.97 138.37,265.07 138.33,265.17 138.28,265.27 138.23,265.36 138.18,265.45 138.12,265.54 138.06,265.62 137.99,265.7 137.92,265.78 137.85,265.85 137.78,265.92 137.7,265.99 137.62,266.05 137.54,266.1 137.46,266.16 137.3,266.25 137.13,266.33 136.95,266.39 136.78,266.44 136.7,266.46 136.62,266.47 136.53,266.48 136.45,266.48 102.14,266.48 101.9,266.45 101.66,266.41 101.44,266.35 101.34,266.32 101.24,266.28 101.14,266.25 101.04,266.2 100.95,266.16 100.87,266.11 100.78,266.06 100.7,266.01 100.63,265.95 100.55,265.89 100.48,265.82 100.42,265.75 100.35,265.68 100.29,265.61 100.24,265.53 100.19,265.44 100.14,265.36 100.09,265.27 100.05,265.17 100.01,265.07 99.98,264.97 99.95,264.87 99.92,264.76 99.9,264.64 99.87,264.52 99.86,264.4 99.92,243.63 99.9,243.52 99.89,243.41 99.87,243.31 99.85,243.21 99.82,243.12 99.79,243.03 99.76,242.94 99.72,242.85 99.69,242.77 99.64,242.69 99.6,242.61 99.55,242.54 99.5,242.47 99.45,242.4 99.39,242.34 99.33,242.28 99.27,242.22 99.2,242.17 99.13,242.12 99.06,242.07 98.99,242.03 98.91,241.99 98.83,241.95 98.75,241.91 98.66,241.88 98.57,241.85 98.39,241.8 98.19,241.76 97.98,241.73 38.72,241.74 38.62,241.74 38.52,241.72 38.42,241.71 38.32,241.69 38.22,241.66 38.12,241.63 38.03,241.59 37.93,241.55 37.83,241.51 37.74,241.46 37.65,241.4 37.56,241.35 37.47,241.29 37.38,241.22 37.3,241.15 37.22,241.08 37.14,241.01 37.06,240.93 36.99,240.85 36.93,240.76 36.86,240.68 36.8,240.59 36.75,240.5 36.7,240.41 36.66,240.31 36.62,240.22 36.58,240.12 36.55,240.02 36.53,239.92 36.52,239.82 36.51,239.71 36.5,239.61 36.57,225.81 36.57,225.73 36.58,225.65 36.59,225.57 36.6,225.49 36.62,225.42 36.64,225.34 36.67,225.27 36.7,225.2 36.73,225.13 36.77,225.06 36.81,224.99 36.85,224.92 36.95,224.79 37.06,224.67 37.18,224.55 37.31,224.44 37.45,224.34 37.6,224.24 37.76,224.15 37.92,224.06 38.09,223.98 38.26,223.9 38.34,223.88 38.41,223.86 38.49,223.85 38.56,223.84 38.63,223.83 38.7,223.83 38.77,223.83 38.84,223.83 38.97,223.83 39.11,223.84 39.25,223.84 39.32,223.84 39.38,223.84 39.41,223.8 ; v1(109.24,179.72) 113.07,179.72 ; v1(109.24,230.44) 113.11,230.44 ; 109.24,255.68 113.03,255.68 ; 104.19,227.71 109.3,230.44